# Altium PCB PCB1.PcbDoc (continued)
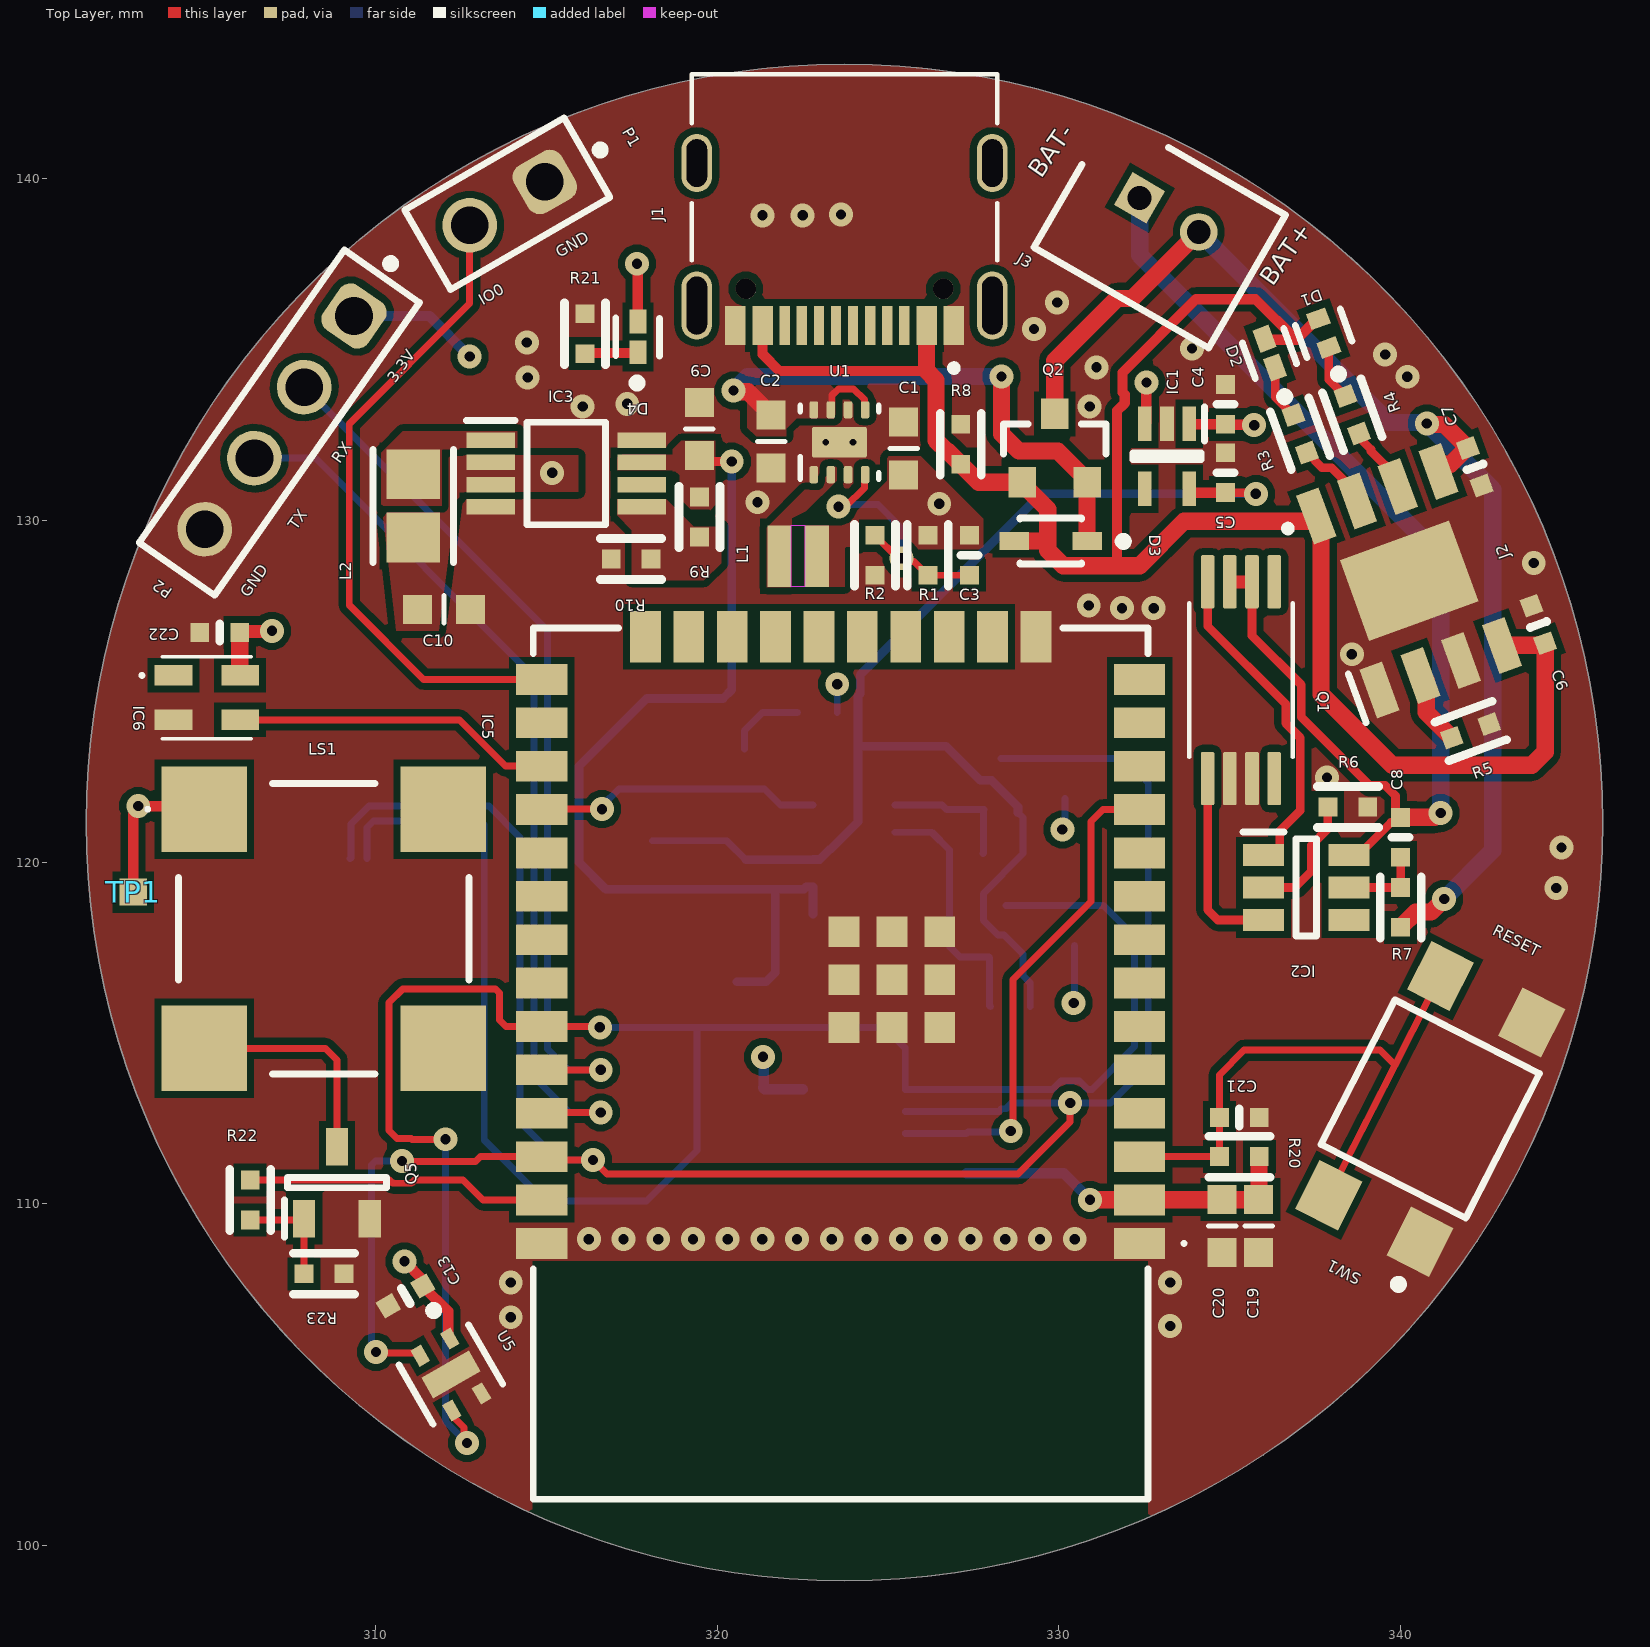
[diagram p0: Top Layer view]
## Part data (continued)
P1: library part CMP-1712-00002-6, Color=Black, Contact Resistance=20mΩ, Current Rating=3A, Max Operating Temperature=125°C, Min Operating Temperature=-40°C, Operating Supply Voltage=250V, Connector Type="Male Pin", Contact Gender=Male, Contact Material=Copper, Contact Mating Length=5.9944mm, Contact Plating=Gold, Gender=Male, Height=8.94mm, Housing Material=PBT, Lead Free="Lead Free", Lead Pitch=2.54mm, Mount="Through Hole", NexarPartId=20081794, Number of Contacts=2, Number of Pins=2, Number of Positions=2, Number of Rows=1, Orientation=Vertical, Packaging=Bulk, Pitch=2.54mm, REACH SVHC="No SVHC", RoHS=Compliant, Termination="Through Hole", Voltage Rating=250V
P2: library part CMP-1502-01064-3, Color=Black, Contact Resistance=20mΩ, Current Rating=3A, Max Operating Temperature=105°C, Min Operating Temperature=-40°C, Operating Supply Voltage=250V, Connector Type="Male Pin", Contact Material=Copper, Contact Mating Length=5.9944mm, Contact Plating=Gold, Gender=Male, Height=8.89mm, Lead Free="Lead Free", Lead Pitch=2.54mm, Mount="Through Hole", NexarPartId=32855522, Number of Contacts=4, Number of Pins=4, Number of Positions=4, Number of Rows=1, Orientation=Vertical, Packaging=Bulk, Pitch=2.54mm, REACH SVHC=Unknown, RoHS=Compliant, Termination=Solder, Voltage Rating=250V
Q1: Package=Package, Check_prices=https://www.snapeda.com/parts/FS8205A/Fortune+Semiconductor/view-part/?ref=eda, MF="Fortune Semiconductor", MP=FS8205A, SnapEDA_Link=https://www.snapeda.com/parts/FS8205A/Fortune+Semiconductor/view-part/?ref=snap
Q2: library part CMP-12801-000080-1, "MOSFET P-CH 30V 2.5A SOT-23", Case/Package=SOT-23, Continuous Drain Current (ID)=3.8A, Drain to Source Resistance=90mR, Drain to Source Voltage (Vdss)=30V, Gate to Source Voltage (Vgs)=20V, Input Capacitance=371.3pF, Max Operating Temperature=150°C, Max Power Dissipation=760mW, Min Operating Temperature=-55°C, Package Quantity=3000, Power Dissipation=1.36W, Element Configuration=Single, Fall Time=13.4ns, Height=1mm, Lead Free="Lead Free", Length=3mm, Mount="Surface Mount", Number of Channels=1, Number of Elements=1, Number of Pins=3, Packaging="Tape and Reel", Radiation Hardening=No, Rds On Max=90mR, REACH SVHC="No SVHC", Rise Time=7.3ns, Turn-Off Delay Time=22.4ns, Turn-On Delay Time=4.8ns, Weight=0.000282oz, Width=1.4mm
Q3 Q4: "MOSFET (N-Channel)", Manufacturer_Name="ROHM Semiconductor", Mouser Part Number=755-RE1C001UNTCL, Datasheet Link=https://datasheet.datasheetarchive.com/originals/distributors/Datasheets_SAMA/a252995f86c5e28cb0f632a782a2eea5.pdf, Height=0.85mm, Manufacturer_Part_Number=RE1C001UNTCL, Mouser Price/Stock=https://www.mouser.co.uk/ProductDetail/ROHM-Semiconductor/RE1C001UNTCL?qs=QcFhgjUTvvoqHeGWcl8O5g%3D%3D
Q5: "Transistor BJT NPN", Manufacturer_Name="Diodes Incorporated", Mouser Part Number=621-MMBT3904-F, Arrow Part Number=MMBT3904-7-F, Arrow Price/Stock=https://www.arrow.com/en/products/mmbt3904-7-f/diodes-incorporated?utm_currency=USD&region=europe, Datasheet Link=https://www.diodes.com//assets/Datasheets/MMBT3904.pdf, Height=1.1mm, Manufacturer_Part_Number=MMBT3904-7-F, Mouser Price/Stock=https://www.mouser.co.uk/ProductDetail/Diodes-Incorporated/MMBT3904-7-F?qs=7F%2FY8wl6X3H3eL7tHVWSBQ%3D%3D
R1 R2: library part ERJ-2GEJ364X, "RES SMD 360K OHM 5% 1/10W 0402", Digi-Key Part Number=P360KJCT-ND, Manufacturer="Panasonic Electronic Components", Operating Temperature="-55°C ~ 155°C", Package / Case="0402 (1005 Metric)", Power (Watts)="0.1W, 1/10W", Supplier Device Package=0402, Temperature Coefficient=±200ppm/°C, Tolerance=±5%, @ qty=1500, Composition="Thick Film", Datasheets=http://industrial.panasonic.com/www-cgi/jvcr13pz.cgi?E+PZ+3+AOA0001+ERJ2GEJ364X+7+WW, Factory Stock=0, Failure Rate=-, Features="Automotive AEC-Q200", Height - Seated (Max)="0.016\" (0.40mm)", Image=//media.digikey.com/Photos/Panasonic%20Photos/ERJ-PA2-Series.jpg, Minimum Quantity=1, Number of Terminations=2, Packaging="Cut Tape (CT)", Part Number=ERJ-2GEJ364X, Part Status=Active, Quantity Available=75680, Series=ERJ, Size / Dimension="0.039\" L x 0.020\" W (1.00mm x 0.50mm)", Unit Price (USD)=0.00350
R3 R4 R6 R21: library part ERJ-2GEJ102X, "RES SMD 1K OHM 5% 1/10W 0402", Digi-Key Part Number=P1.0KJCT-ND, Manufacturer="Panasonic Electronic Components", Operating Temperature="-55°C ~ 155°C", Package / Case="0402 (1005 Metric)", Power (Watts)="0.1W, 1/10W", Supplier Device Package=0402, Temperature Coefficient=±200ppm/°C, Tolerance=±5%, @ qty=1500, Composition="Thick Film", Datasheets=http://industrial.panasonic.com/www-cgi/jvcr13pz.cgi?E+PZ+3+AOA0001+ERJ2GEJ102X+7+WW, Factory Stock=0, Failure Rate=-, Features="Automotive AEC-Q200", Height - Seated (Max)="0.016\" (0.40mm)", Image=//media.digikey.com/Photos/Panasonic%20Photos/ERJ-PA2-Series.jpg, Minimum Quantity=1, Number of Terminations=2, Packaging="Cut Tape (CT)", Part Number=ERJ-2GEJ102X, Part Status=Active, Quantity Available=1939857, Series=ERJ, Size / Dimension="0.039\" L x 0.020\" W (1.00mm x 0.50mm)", Unit Price (USD)=0.00350
R5: library part ERJ-2GEJ122X, "RES SMD 1.2K OHM 5% 1/10W 0402", Digi-Key Part Number=P1.2KJCT-ND, Manufacturer="Panasonic Electronic Components", Operating Temperature="-55°C ~ 155°C", Package / Case="0402 (1005 Metric)", Power (Watts)="0.1W, 1/10W", Supplier Device Package=0402, Temperature Coefficient=±200ppm/°C, Tolerance=±5%, @ qty=1500, Composition="Thick Film", Datasheets=http://industrial.panasonic.com/www-cgi/jvcr13pz.cgi?E+PZ+3+AOA0001+ERJ2GEJ122X+7+WW, Factory Stock=0, Failure Rate=-, Features="Automotive AEC-Q200", Height - Seated (Max)="0.016\" (0.40mm)", Image=//media.digikey.com/Photos/Panasonic%20Photos/ERJ-PA2-Series.jpg, Minimum Quantity=1, Number of Terminations=2, Packaging="Cut Tape (CT)", Part Number=ERJ-2GEJ122X, Part Status=Active, Quantity Available=248948, Series=ERJ, Size / Dimension="0.039\" L x 0.020\" W (1.00mm x 0.50mm)", Unit Price (USD)=0.00350
R7: library part ERJ-2RHD1000X, "RES SMD 100 OHM 0.5% 1/16W 0402", Digi-Key Part Number=P15983CT-ND, Manufacturer="Panasonic Electronic Components", Operating Temperature="-55°C ~ 125°C", Package / Case="0402 (1005 Metric)", Power (Watts)="0.063W, 1/16W", Supplier Device Package=0402, Temperature Coefficient=±50ppm/°C, Tolerance=±0.5%, @ qty=1500, Composition="Thick Film", Datasheets=http://industrial.panasonic.com/www-cgi/jvcr13pz.cgi?E+PZ+3+AOA0001+ERJ2RHD1000X+8+WW, Factory Stock=0, Failure Rate=-, Features="Automotive AEC-Q200", Height - Seated (Max)="0.016\" (0.40mm)", Image=//media.digikey.com/Photos/Panasonic%20Photos/ERJ-PA2-Series.jpg, Minimum Quantity=1, Number of Terminations=2, Packaging="Cut Tape (CT)", Part Number=ERJ-2RHD1000X, Part Status=Active, Quantity Available=37495, Series=ERJ, Size / Dimension="0.039\" L x 0.020\" W (1.00mm x 0.50mm)", Unit Price (USD)=0.01767
R8 R20 R23: library part ERJ-2GEJ103X, "RES SMD 10K OHM 5% 1/10W 0402", Digi-Key Part Number=P10KJCT-ND, Manufacturer="Panasonic Electronic Components", Operating Temperature="-55°C ~ 155°C", Package / Case="0402 (1005 Metric)", Power (Watts)="0.1W, 1/10W", Supplier Device Package=0402, Temperature Coefficient=±200ppm/°C, Tolerance=±5%, @ qty=1500, Composition="Thick Film", Datasheets=http://industrial.panasonic.com/www-cgi/jvcr13pz.cgi?E+PZ+3+AOA0001+ERJ2GEJ103X+7+WW, Factory Stock=0, Failure Rate=-, Features="Automotive AEC-Q200", Height - Seated (Max)="0.016\" (0.40mm)", Image=//media.digikey.com/Photos/Panasonic%20Photos/ERJ-PA2-Series.jpg, Minimum Quantity=1, Number of Terminations=2, Packaging="Cut Tape (CT)", Part Number=ERJ-2GEJ103X, Part Status=Active, Quantity Available=2560215, Series=ERJ, Size / Dimension="0.039\" L x 0.020\" W (1.00mm x 0.50mm)", Unit Price (USD)=0.00350
R9: library part ERJ-2RKF7503X, "RES SMD 750K OHM 1% 1/10W 0402", Digi-Key Part Number=P750KLCT-ND, Manufacturer="Panasonic Electronic Components", Operating Temperature="-55°C ~ 155°C", Package / Case="0402 (1005 Metric)", Power (Watts)="0.1W, 1/10W", Supplier Device Package=0402, Temperature Coefficient=±100ppm/°C, Tolerance=±1%, @ qty=1500, Composition="Thick Film", Datasheets=http://industrial.panasonic.com/www-cgi/jvcr13pz.cgi?E+PZ+3+AOA0002+ERJ2RKF7503X+7+WW, Factory Stock=0, Failure Rate=-, Features="Automotive AEC-Q200", Height - Seated (Max)="0.016\" (0.40mm)", Image=//media.digikey.com/Photos/Panasonic%20Photos/ERJ-PA2-Series.jpg, Minimum Quantity=1, Number of Terminations=2, Packaging="Cut Tape (CT)", Part Number=ERJ-2RKF7503X, Part Status=Active, Quantity Available=78807, Series=ERJ, Size / Dimension="0.039\" L x 0.020\" W (1.00mm x 0.50mm)", Unit Price (USD)=0.00496
R10: library part ERJ-2GEJ104X, "RES SMD 100K OHM 5% 1/10W 0402", Digi-Key Part Number=P100KJCT-ND, Manufacturer="Panasonic Electronic Components", Operating Temperature="-55°C ~ 155°C", Package / Case="0402 (1005 Metric)", Power (Watts)="0.1W, 1/10W", Supplier Device Package=0402, Temperature Coefficient=±200ppm/°C, Tolerance=±5%, @ qty=1500, Composition="Thick Film", Datasheets=http://industrial.panasonic.com/www-cgi/jvcr13pz.cgi?E+PZ+3+AOA0001+ERJ2GEJ104X+7+WW, Factory Stock=0, Failure Rate=-, Features="Automotive AEC-Q200", Height - Seated (Max)="0.016\" (0.40mm)", Image=//media.digikey.com/Photos/Panasonic%20Photos/ERJ-PA2-Series.jpg, Minimum Quantity=1, Number of Terminations=2, Packaging="Cut Tape (CT)", Part Number=ERJ-2GEJ104X, Part Status=Active, Quantity Available=2387986, Series=ERJ, Size / Dimension="0.039\" L x 0.020\" W (1.00mm x 0.50mm)", Unit Price (USD)=0.00350
R11 R12 R13 R14 R19: library part ERJ-2GEJ222X, "RES SMD 2.2K OHM 5% 1/10W 0402", Digi-Key Part Number=P2.2KJCT-ND, Manufacturer="Panasonic Electronic Components", Operating Temperature="-55°C ~ 155°C", Package / Case="0402 (1005 Metric)", Power (Watts)="0.1W, 1/10W", Supplier Device Package=0402, Temperature Coefficient=±200ppm/°C, Tolerance=±5%, @ qty=1500, Composition="Thick Film", Datasheets=http://industrial.panasonic.com/www-cgi/jvcr13pz.cgi?E+PZ+3+AOA0001+ERJ2GEJ222X+7+WW, Factory Stock=0, Failure Rate=-, Features="Automotive AEC-Q200", Height - Seated (Max)="0.016\" (0.40mm)", Image=//media.digikey.com/Photos/Panasonic%20Photos/ERJ-PA2-Series.jpg, Minimum Quantity=1, Number of Terminations=2, Packaging="Cut Tape (CT)", Part Number=ERJ-2GEJ222X, Part Status=Active, Quantity Available=177727, Series=ERJ, Size / Dimension="0.039\" L x 0.020\" W (1.00mm x 0.50mm)", Unit Price (USD)=0.00350
R15: library part ERJ-2GE0R00X, "RES SMD 0.0OHM JUMPER 1/10W 0402", Digi-Key Part Number=P0.0JCT-ND, Manufacturer="Panasonic Electronic Components", Operating Temperature="-55°C ~ 155°C", Package / Case="0402 (1005 Metric)", Power (Watts)="0.1W, 1/10W", Supplier Device Package=0402, Temperature Coefficient=-, Tolerance=Jumper, @ qty=1500, Composition="Thick Film", Datasheets=http://industrial.panasonic.com/www-cgi/jvcr13pz.cgi?E+PZ+3+AOA0001+ERJ2GE0R00X+7+WW, Factory Stock=0, Failure Rate=-, Features="Automotive AEC-Q200", Height - Seated (Max)="0.016\" (0.40mm)", Image=//media.digikey.com/Photos/Panasonic%20Photos/ERJ-PA2-Series.jpg, Minimum Quantity=1, Number of Terminations=2, Packaging="Cut Tape (CT)", Part Number=ERJ-2GE0R00X, Part Status=Active, Quantity Available=3152483, Series=ERJ, Size / Dimension="0.039\" L x 0.020\" W (1.00mm x 0.50mm)", Unit Price (USD)=0.00384
R16: library part ERJ-2GEJ472X, "RES SMD 4.7K OHM 5% 1/10W 0402", Digi-Key Part Number=P4.7KJCT-ND, Manufacturer="Panasonic Electronic Components", Operating Temperature="-55°C ~ 155°C", Package / Case="0402 (1005 Metric)", Power (Watts)="0.1W, 1/10W", Supplier Device Package=0402, Temperature Coefficient=±200ppm/°C, Tolerance=±5%, @ qty=1500, Composition="Thick Film", Datasheets=http://industrial.panasonic.com/www-cgi/jvcr13pz.cgi?E+PZ+3+AOA0001+ERJ2GEJ472X+7+WW, Factory Stock=0, Failure Rate=-, Features="Automotive AEC-Q200", Height - Seated (Max)="0.016\" (0.40mm)", Image=//media.digikey.com/Photos/Panasonic%20Photos/ERJ-PA2-Series.jpg, Minimum Quantity=1, Number of Terminations=2, Packaging="Cut Tape (CT)", Part Number=ERJ-2GEJ472X, Part Status=Active, Quantity Available=8551774, Series=ERJ, Size / Dimension="0.039\" L x 0.020\" W (1.00mm x 0.50mm)", Unit Price (USD)=0.00350
R22: library part ERJ-2RKF2200X, "RES SMD 220 OHM 1% 1/10W 0402", Digi-Key Part Number=P220LCT-ND, Manufacturer="Panasonic Electronic Components", Operating Temperature="-55°C ~ 155°C", Package / Case="0402 (1005 Metric)", Power (Watts)="0.1W, 1/10W", Supplier Device Package=0402, Temperature Coefficient=±100ppm/°C, Tolerance=±1%, @ qty=1500, Composition="Thick Film", Datasheets=http://industrial.panasonic.com/www-cgi/jvcr13pz.cgi?E+PZ+3+AOA0002+ERJ2RKF2200X+7+WW, Factory Stock=0, Failure Rate=-, Features="Automotive AEC-Q200", Height - Seated (Max)="0.016\" (0.40mm)", Image=//media.digikey.com/Photos/Panasonic%20Photos/ERJ-PA2-Series.jpg, Minimum Quantity=1, Number of Terminations=2, Packaging="Cut Tape (CT)", Part Number=ERJ-2RKF2200X, Part Status=Active, Quantity Available=432220, Series=ERJ, Size / Dimension="0.039\" L x 0.020\" W (1.00mm x 0.50mm)", Unit Price (USD)=0.00496
SW1: library part CMP-17879-000010-1, "SWITCH TACTILE SPST-NO 50MA 12V", Max Operating Temperature=70°C, Min Operating Temperature=-20°C, Operating Force=260gf, Actuator Type=Standard, Illumination Type=Non-Illuminated, Lead Free="Lead Free", Mechanical Life=200000Cycles, Mount="Surface Mount", Packaging="Tape and Reel", Switch Function=Off-Mom, Switch Travel=0.2mm, Termination="Gull Wing", Throw Configuration=SPST
TP1 TP2 TP3 TP4: "SMT Test Point- Mininature-1000 pc Reels", Package=None, Availability="In Stock", MF="Keystone Electronics", MP=5019, Price=None, Purchase-URL=https://pricing.snapeda.com/search/part/5019/?ref=eda
U1: library part CMP-0323-00258-3, "Buck Step Down Regulator with 2.7 to 6 V Input and 0.8 to 6 V Output, -40 to 85 degC, 8-Pin WSON (DSG), Green (RoHS & no Sb/Br)", Manufacturer="Texas Instruments", Rating=Catalog, Switch Current Limit(Typ)(A)=2.25, Code_JEDEC=MO-229, ComponentLink1Description=Datasheet, ComponentLink1URL=http://www.ti.com/general/docs/lit/getliterature.tsp?genericPartNumber=TPS62060&fileType=pdf, ComponentLink2Description="Package Specification", ComponentLink2URL=http://www.ti.com/litv/pdf/mpds308a, ComponentLink3Description="URL Link1", ComponentLink3URL="Samples URL:http://www.ti.com/product/tps54611#samples", DatasheetVersion=SLVSA95A, Duty Cycle(Max)(%)=100, Eco-Plan="Green (RoHS & no Sb/Br)", Iout(Max)(A)=1.6, Iq(Typ)(mA)=0.018, Mounting Technology="Surface Mount", PackageDescription="8-Pin Plastic Small Outline No-Lead, 2 x 2 x 0.8 mm Body, 0.5 mm Pitch, Exposed Pad", PackageReference=DSG0008A, PackageVersion="revB, Oct-2010", PartNumber=TPS62060DSGT, Regulated Outputs(#)=1, SubFamily="Step-Down Regulator", Synchronous Rectification=TRUE, Topology=Buck, Vin(Max)(V)=6, Vin(Min)(V)=2.7, Vout(Max)(V)=6, Vout(Min)(V)=0.8
U2: library part CMP-05738-000001-1, "INTEGRATED OPTICAL SENSOR", Manufacturer="Maxim Integrated", Max Junction Temp=+90°C, Max Supply Voltage=2V, Min Supply Voltage=1.7V, Operating Supply Current=600uA, Package=F143A5-1, Temperature="-40°C to +85°C", Temperature Range High=+85°C, Temperature Range Low=-40°C, Automotive=No, Category=IC, ComponentLink2Description=Datasheet, ComponentLink2URL=https://datasheets.maximintegrated.com/en/ds/MAX30101.pdf, Device Class L1=Sensors, Device Class L2=unset, Device Class L3=unset, Digikey Description="INTEGRATED OPTICAL SENSOR", Footprint Url=https://pdfserv.maximintegrated.com/land_patterns/90-0602.PDF, Height=1.65mm, Lead Free=Yes, Manufacturer Part Number=MAX30101EFD+, Mouser Description="INTEGRATED OPTICAL SENSOR", Octopart=https://octopart.com/max30101efd%2B-maxim+integrated-57054333, RoHS=TRUE, Sensor Output=I2C
U5: library part CMP-144040-000003-1, "SENSOR HUMI/TEMP I2C 2% SMD", Manufacturer=Sensirion, Max Supply Voltage=3.6V, Min Supply Voltage=1.62V, Operating Supply Current=0.3-900uA, Package=0, Temperature="-40°C to +125°C", Temperature Range High=+125°C, Temperature Range Low=-40°C, Accuracy=2%, Automotive=No, Category=IC, ComponentLink2Description=Datasheet, ComponentLink2URL=https://www.sensirion.com/fileadmin/user_upload/customers/sensirion/Dokumente/0_Datasheets/Humidity/Sensirion_Humidity_Sensors_SHTC3_Datasheet.pdf, Device Class L1=Sensors, Device Class L2="Temperature and Humidity Sensors", Device Class L3=unset, Digikey Description="SENSOR HUMI/TEMP I2C 2% SMD", Height=0.75mm, Interface=I2C, Ipc Land Pattern Name=DFN200X200X75-4, Lead Free=Yes, Manufacturer Part Number=SHTC3, Mouser Description="SHTC3 Series 0 to 100% RH 3.6 V Humidity and Temperature Sensor IC - DFN-4", Octopart=https://octopart.com/shtc3-sensirion-91912225, Resolution=16bits, RoHS=TRUE, Sensor Output=I2C

## Via types
v1: diameter 0.7, hole 0.3, Top Layer to Bottom Layer, tented both sides, 76 vias
v2: diameter 0.5, hole 0.2, Top Layer to Bottom Layer, 2 vias

## Nets (pads, with @x,y where several pads share a name; then routed paths per layer and width w, separated by ;. In a path a pad name is that pad's centre, name@x,y a point inside that pad or via, vN(x,y) a via of type N, cw(c..) or ccw(c..) an arc to the next point about the centre after c; other vN are vias at no path point)
+1.8V: C5.1 C11.1 IC1.5 Q3.1 Q4.1 R11.2 R13.2 TP2.TP U2.11 | length 39.3
  Top Layer w0.254: C5.1 335.706,130.816 335.742,130.78 v1(335.763,130.78)
  Top Layer w0.305: IC1.5 333.812,130.863 333.86,130.816 C5.1
  Bottom Layer w0.203: TP2.TP 320.266,120.625 320.82,120.07 C11.1@320.83,120.07 ; Q3.1@328.8,121.454 328.95,121.304 R11.2 327.787,119.087 327.787,118.288 328.209,117.866 328.394,117.866 328.95,117.31 Q4.1 328.95,116.675 329.159,116.466 R13.2
  Bottom Layer w0.254: C11.1@320.83,120.07 322.795,120.07 U2.11 323,120.075 323.298,120.373 323.31,120.373 324.118,121.18 324.118,123.393 ; Q3.1@328.8,121.454 328.8,121.624 328.032,122.392 327.696,122.392 326.695,123.393 324.118,123.393 ; v1(335.763,130.78) 329.484,130.78 324.186,125.482 324.186,124.927 324.118,124.858 324.118,123.393
+3V3: C1.1 C3.1 C4.1 C10.1 C13.1 C18.1 C19.1 C20.1 C22.1 D4.2 IC1.1 IC1.3 IC3.2 IC3.3 IC4.8 IC5.2 IC6.4 L1.2 L2.1 LS1.1 P2.1 R1.2 R12.2 R14.2 R15.2 R19.1 R20.2 TP1.TP U5.1 | length 34
  Top Layer w0.305: TP1.TP 302.9,121.386 303.047,121.534 v1(303.047,121.641) 304.884,121.641 LS1.1 ; v1(310.845,108.314) 311.381,107.778 C13.1 312.121,106.853 312.121,106.101 U5.1 ; v1(317.647,137.516) 317.675,137.487 D4.2 ; IC1.3 332.56,132.877 v1(332.56,134.038) ; IC1.1 333.826,132.816 C4.1 334.887,132.803 335.7,132.803 v1(335.712,132.791)
  Top Layer w0.381: C22.1 306.069,126.771 306.094,126.746 306.935,126.746 v1(306.96,126.771)
  Top Layer w0.508: C22.1 306.024,126.716 306.024,125.471 IC6.4 ; v1(330.91,110.115) IC5.2@332.365,110.115 ; IC5.2 IC5.2@332.365,110.115 ; R20.2 335.855,111.37 335.855,110.13 C19.1 C20.1 334.766,110.115 IC5.2@332.365,110.115
  Bottom Layer w0.203: R15.2 v1(323.509,125.207) ; v1(330.098,120.955) 330.175,121.031 R12.2 ; v1(330.429,115.875) 330.45,115.896 R14.2
  Bottom Layer w0.305: P2.1 311.562,135.986 v1(312.75,134.798) ; v1(321.335,114.3) 321.355,114.28 321.355,113.419 321.335,113.399 C18.1 321.38,113.355 322.495,113.355 IC4.8 ; R19.1 330.134,110.891 v1(330.91,110.115)
  other v1: 326.496,130.491 315.163,131.394
+5V: C9.1 C12.1 IC3.7 R9.1 TP3.TP U2.9 U2.10 | length 27.6
  Top Layer w0.254: C9.1 319.651,131.724 v1(320.421,131.724)
  Bottom Layer w0.254: v1(320.421,131.724) 320.421,125.044 320.167,124.79 317.932,124.79 315.947,122.806 315.947,119.993 316.731,119.209 C12.1 321.692,119.209 ; TP3.TP 321.425,116.5 321.692,116.767 321.692,119.209 ; U2.9 U2.10 322.6,119.275 322.534,119.209 321.692,119.209
BUZZER: IC5.37 R22.1 | length 8.9
  Top Layer w0.203: R22.1 310.406,110.693 310.499,110.6 311.039,110.6 311.132,110.693 312.557,110.693 313.141,110.109 IC5.37
EN: C21.1 IC5.3 R20.1 SW1.3 SW1.4 | length 17.6
  Top Layer w0.203: IC5.3 R20.1 C21.1 334.696,113.775 335.421,114.5 339.394,114.5 339.837,114.057 ; SW1.3 338.214,110.872 339.837,114.057 ; SW1.4 340.849,116.042 339.837,114.057
GND: C1.2 C2.2 C4.2 C5.2 C6.2 C7.2 C9.2 C10.2 C11.2 C12.2 C13.2 C18.2 C19.2 C20.2 C21.2 C22.2 IC1.2 IC3.4 IC3.8 IC4.4 IC4.5 IC4.6 IC4.7 IC4.9 IC5.1 IC5.15 IC5.38 IC5.39 IC5.40 IC5.41 IC5.42 IC5.43 IC5.44 IC5.45 IC5.46 IC5.47 IC6.2 J1.A1_B12 J1.B1_A12 J2.1 J2.3 J2.9 P1.1 P2.4 Q1.6 Q1.7 Q5.2 R2.1 R5.1 R6.1 R8.1 R10.1 R21.1 R23.1 SW1.1 SW1.2 TP4.TP U1.1 U1.3 U1.6 U1.9 U2.4 U2.12 U5.4 U5.5
  other v1: 333.255,106.423 313.951,106.677 313.951,107.693 333.255,107.693 316.237,108.963 317.253,108.963 318.269,108.963 319.285,108.963 320.301,108.963 321.317,108.963 322.333,108.963 323.349,108.963 324.365,108.963 325.381,108.963 326.397,108.963 327.413,108.963 328.429,108.963 329.445,108.963 330.461,108.963 344.555,119.245 344.71,120.431 337.845,122.479 338.572,126.084 331.847,127.434 332.772,127.434 330.872,127.509 343.897,128.759 321.172,130.534 316.056,133.335 330.897,133.334 317.361,133.415 314.447,134.184 340.197,134.209 331.097,134.484 339.547,134.859 333.897,135.034 314.422,135.209 329.272,135.609 329.947,136.384 321.322,138.934 322.497,138.934 323.622,138.959
  other v2: 323.174,132.29 323.974,132.29
GND_ISO: C8.1 IC2.6 J3.1 Q1.2 Q1.3 | length 34.5
  Top Layer w0.254: Q1.2 335.65,126.63 337.09,125.19 337.09,124.25 339.087,122.254 339.544,122.254 339.852,121.945 339.852,121.457 C8.1 339.852,121.161 339.719,121.161 338.766,120.208 IC2.6
  Top Layer w0.381: Q1.3 Q1.2
  Top Layer w0.508: C8.1 340.993,121.309 341.121,121.437 v1(341.173,121.437)
  Bottom Layer w0.508: J3.1 332.359,137.77 341.173,128.956 v1(341.173,121.437)
INT: IC5.28 R16.1 U2.13 | length 8.4
  Top Layer w0.203: IC5.28 314.87,121.55 v1(316.624,121.55)
  Bottom Layer w0.203: v1(316.624,121.55) 316.624,121.649 317.116,122.141 R16.1 321.384,122.141 321.85,121.675 U2.13
INT_GYRO: IC5.31
IO0: IC5.25 P1.2 | length 19.1
  Top Layer w0.203: P1.2 312.75,136.35 309.225,132.825 309.225,127.525 311.401,125.349 IC5.25
LED: IC5.27 IC6.3 | length 9.4
  Top Layer w0.203: IC6.3 312.448,124.166 313.804,122.809 IC5.27
LV_SCL: Q3.2 R11.1 U2.2 | length 4
  Bottom Layer w0.203: U2.2 326.575,121.675 326.711,121.539 Q3.2 327.791,121.53 327.791,120.259 R11.1
LV_SDA: Q4.2 R13.1 U2.3 | length 7.4
  Bottom Layer w0.203: U2.3 326.275,120.875 326.8,120.35 326.8,117.525 327.1,117.225 Q4.2 327.97,117.205 327.97,115.795 R13.1
NetC3_2: C3.2 R1.1 R2.2 U1.4 | length 7.7
  Top Layer w0.203: v1(323.542,130.404) 323.748,130.404 324.301,130.956 324.301,131.317 U1.4 ; R2.2 325.283,128.895 v1(325.39,128.895) 325.485,128.799 325.759,128.799 R1.1 327.355,128.397 327.368,128.384 C3.2
  Bottom Layer w0.203: v1(323.542,130.404) 323.606,130.467 324.701,130.467 325.336,129.832 325.336,128.948 v1(325.39,128.895)
NetC8_2: C8.2 IC2.5 R7.2 | length 2.4
  Top Layer w0.254: IC2.5 R7.2 ; R7.2 C8.2
NetD1_1: D1.1 R4.2 | length 1.6
  Top Layer w0.254: D1.1 337.898,134.129 R4.2
NetD2_1: D2.1 R3.2 | length 1.6
  Top Layer w0.254: D2.1 336.33,134.469 336.33,133.614 R3.2
NetD4_1: D4.1 R21.2 | length 1.6
  Top Layer w0.305: R21.2 316.147,134.903 317.653,134.903 D4.1
NetIC2_1: IC2.1 Q1.4 | length 9.7
  Top Layer w0.254: Q1.4 334.35,126.914 336.636,124.628 336.636,124.062 337.058,123.64 337.058,121.508 336.464,120.914 336.464,120.406 336.266,120.208 IC2.1
NetIC2_2: IC2.2 R6.2 | length 3.7
  Top Layer w0.254: IC2.2 336.911,119.258 337.391,119.738 337.391,120.496 337.871,120.976 R6.2
NetIC2_3: IC2.3 Q1.5 | length 5.6
  Top Layer w0.254: Q1.5 334.35,118.608 334.65,118.308 IC2.3
NetIC3_1: IC3.1 L2.2
NetIC3_5: IC3.5 R9.2 R10.2
NetJ2_2: J2.2 R5.2 | length 2.2
  Top Layer w0.508: J2.2 340.748,125.3 340.748,124.391 R5.2
NetJ2_6: J2.6 R4.1 | length 2
  Top Layer w0.254: R4.1 338.782,132.433 339.134,132.081 339.134,132.029 339.917,131.247 J2.6
NetJ2_7: J2.7 R3.1 | length 2.2
  Top Layer w0.254: R3.1 337.699,131.547 337.978,131.547 338.723,130.802 J2.7
NetL1_1: L1.1 U1.2 | length 0.1
  Top Layer w0.203: L1.1 L1.1@321.859,129.004
NetLS1_2: LS1.2 Q5.3 | length 6.6
  Top Layer w0.203: LS1.2 308.525,114.55 308.864,114.211 Q5.3
NetQ1_1: Q1.1 Q1.8
NetQ5_1: Q5.1 R22.2 R23.2 | length 3.2
  Top Layer w0.203: R22.2 Q5.1@307.862,109.525 ; R23.2 307.899,109.488 Q5.1@307.862,109.525 ; Q5.1@307.899,109.525 307.899,109.562 Q5.1@307.862,109.525
NetR15_1: R15.1 R16.2 | length 2.3
  Bottom Layer w0.203: R16.2 320.8,123.85 321.325,124.375 R15.1
OS: IC4.3 IC5.11 R19.2 | length 14.7
  Top Layer w0.203: v1(328.587,112.128) 328.651,112.192 328.651,116.561 330.937,118.847 330.937,121.183 331.292,121.539 IC5.11
  Bottom Layer w0.203: IC4.3 325.505,112.055 327.295,112.055 327.335,112.094 328.552,112.094 v1(328.587,112.128)
RX: IC5.34 P2.2 | length 25.9
  Top Layer w0.203: IC5.34 v1(316.586,113.919)
  Bottom Layer w0.203: P2.2 315.033,126.78 315.033,114.524 315.638,113.919 v1(316.586,113.919)
SCL: IC4.2 IC5.36 Q3.3 R12.1 U5.2 | length 67
  Top Layer w0.203: v1(310.007,105.664) 310.038,105.633 311.186,105.633 311.304,105.514 U5.2 U5.2@311.254,105.601 ; v1(310.769,111.252) 310.786,111.235 312.918,111.235 313.062,111.379 IC5.36 314.961,111.277 v1(316.357,111.277) 316.763,110.871 328.803,110.871 330.327,112.395 v1(330.327,112.947)
  Bottom Layer w0.203: 309.25,120.1 309.273,120.123 309.273,121.11 309.804,121.641 313.309,121.641 314.227,120.723 314.227,112.392 315.341,111.277 v1(316.357,111.277) ; v1(310.007,105.664) 309.88,105.791 309.88,111.133 309.999,111.252 v1(310.769,111.252) ; IC4.2 328.237,112.7 328.317,112.78 328.444,112.78 328.611,112.947 v1(330.327,112.947) 331.514,112.947 332.613,114.046 332.613,122.326 331.905,123.034 R12.1 328.305,123.034 Q3.3
SDA: IC4.1 IC5.33 Q4.3 R14.1 U5.3 | length 73.1
  Top Layer w0.203: v1(312.039,111.887) 311.056,111.887 311.039,111.904 310.625,111.904 310.388,112.141 310.388,115.89 310.791,116.292 313.507,116.292 313.626,116.173 313.626,115.379 313.817,115.189 IC5.33 316.535,115.189 v1(316.56,115.164) ; U5.3 312.229,103.797 312.579,103.447 312.579,103.092 v1(312.674,102.997)
  Bottom Layer w0.203: 309.75,120.1 309.75,121.017 309.937,121.203 313.057,121.203 313.176,121.084 313.176,111.867 314.96,110.084 317.932,110.084 319.405,111.557 319.405,115.164 ; v1(312.039,111.887) 312.039,103.632 v1(312.674,102.997) ; v1(316.56,115.164) 319.405,115.164 ; Q4.3 328.459,118.734 R14.1 331.303,118.734 332.21,117.827 332.21,114.598 330.962,113.35 330.845,113.35 330.597,113.598 330.057,113.598 329.809,113.35 IC4.1 325.5,114.555 324.891,115.164 319.405,115.164
TX: IC5.35 P2.3 | length 26.7
  Top Layer w0.203: IC5.35 314.884,112.674 v1(316.586,112.674)
  Bottom Layer w0.203: P2.3 308.23,131.825 314.63,125.425 314.63,113.716 315.671,112.674 v1(316.586,112.674)
V_BATT: C7.1 J2.5 J3.2 Q2.3 R7.1 | length 35.9
  Top Layer w0.5: Q2.3 329.875,134.676 331.703,136.504 332.149,136.504 J3.2 ; R7.1 340.443,118.534 340.886,118.534 v1(341.274,118.923) ; v1(340.766,132.842) 340.799,132.81 341.279,132.81 C7.1 341.929,132.118 341.457,131.646 341.321,131.646 J2.5
  Bottom Layer w0.5: J3.2 339.666,132.871 340.738,132.871 v1(340.766,132.842) 342.697,130.912 342.697,120.345 v1(341.274,118.923)
V_USB: C6.1 D1.2 D2.2 D3.2 J1.A4_B9 J1.B4_A9 J2.4 J2.8 Q2.1 R8.2 | length 55.7
  Top Layer w0.3: J1.B4_A9 321.323,134.861 321.805,134.379 326.123,134.379 ; 331.699,128.676 331.699,133.211 331.924,133.436 331.924,133.684 331.86,133.748 331.86,134.328 334.009,136.477 335.753,136.477 336.942,135.288 ; D2.2 336.049,135.288 336.942,135.288 ; D1.2 337.56,135.906 336.942,135.288
  Top Layer w0.508: J1.A4_B9 326.123,134.379 326.398,134.105 326.398,132.353 326.723,132.028 326.746,132.028 R8.2 327.653,131.121 Q2.1 328.925,131.071 329.667,130.33 329.667,129.464 ; D3.2 329.603,129.4 329.667,129.464 ; J2.4 342.974,126.347 344.172,126.347 C6.1 344.231,123.225 343.84,122.835 339.75,122.835 337.671,124.914 337.671,129.991 J2.8 337.373,129.976 333.658,129.976 332.359,128.676 331.699,128.676 330.124,128.676 329.667,129.134 329.667,129.464
VIN: C2.1 D3.1 Q2.2 U1.5 U1.7 U1.8 | length 17.8
  Top Layer w0.203: U1.7 323.347,133.263 323.347,133.654 323.545,133.851 323.985,133.851 324.301,133.536 324.301,133.263 U1.5
  Top Layer w0.5: v1(320.472,133.807) 320.51,133.769 320.895,133.769 C2.1 ; v1(328.32,134.214) 328.32,132.537 328.829,132.028 329.968,132.028 330.825,131.171 Q2.2 D3.1
  Bottom Layer w0.5: v1(320.472,133.807) 320.878,134.214 v1(328.32,134.214)
pads on no net: AC?.1 AC?.2 AC?.3 AC?.4 AC?.5 AC?.6 AC?.7 AC?.8 AC?.9 AC?.10 AC?.11 AC?.12 AC?.13 AC?.14 IC1.4 IC2.4 IC3.6 IC5.4 IC5.5 IC5.6 IC5.7 IC5.8 IC5.9 IC5.10 IC5.12 IC5.13 IC5.14 IC5.16 IC5.17 IC5.18 IC5.19 IC5.20 IC5.21 IC5.22 IC5.23 IC5.24 IC5.26 IC5.29 IC5.30 IC5.32 IC6.1 J1. J1.A5 J1.A6 J1.A7 J1.A8 J1.B5 J1.B6 J1.B7 J1.B8 J1.S1 J1.S2 J1.S3 J1.S4 LS1.3 LS1.4 U2.1 U2.5 U2.6 U2.7 U2.8 U2.14

## Polygon pours and split planes (outlines as drawn)
GND on Top Layer "GND_L01_P021" (solid, remove dead copper, pour order 21): 301.523,121.158 ccw(c323.723,121.158) 323.723,98.958 ccw(c323.723,121.158) 345.923,121.158 ccw(c323.723,121.158) 323.723,143.358 ccw(c323.723,121.158)
NetL1_1 on Top Layer "NETL1_1_L01_P020" (solid, remove dead copper, pour order 20): 323.221,131.577 323.52,131.577 323.52,131.196 322.593,130.27 322.181,130.072 322.181,128.044 322.176,128.04 322.168,128.048 321.448,128.048 321.448,129.786 322.559,130.897 322.785,130.897 323.212,131.324 323.212,131.582
+3V3 on Top Layer "+3V3_L01_P017" (solid, pour order 17): 322.56,128.056 322.56,129.856 322.571,129.845 323.647,129.845 324.968,131.166 324.968,131.826 325.018,131.877 325.958,131.877 327.787,130.048 327.787,129.134 327.736,129.083 327.66,129.159 325.78,129.159 325.78,129.235 323.774,129.235 323.723,129.184 323.723,128.056
NetIC3_1 on Top Layer "NETIC3_1_L01_P000" (solid, remove dead copper, pour order 0): 311.887,132.613 314.147,132.613 314.147,132.131 314.096,132.08 311.963,132.08 311.937,132.055 311.937,130.404 310.236,130.404 310.159,130.48 310.159,131.978 310.794,132.613
NetIC3_5 on Top Layer "NETIC3_5_L01_P003" (solid, remove dead copper, pour order 3): 317.068,130.15 317.5,129.718 317.5,128.245 319.608,128.245 320.116,128.753 320.116,129.819 319.303,129.819 318.491,130.632 317.068,130.632
+5V on Top Layer "+5V_L01_P004" (solid, remove dead copper, pour order 4): 317.068,131.928 318.541,131.928 318.948,132.334 319.938,132.334 319.938,130.454 319.786,130.302 319.761,130.327 319.227,130.327 318.897,130.658 318.897,131.318 318.77,131.445 317.068,131.445 317.068,131.877 317.094,131.902
VIN on Top Layer "VIN_L01_P011" (solid, remove dead copper, pour order 11): 323.418,132.994 323.418,132.995 322.327,132.995 322.021,132.69 322.021,132.461 321.132,132.461 320.878,132.715 320.878,133.706 321.132,133.96 323.317,133.96 323.444,133.833 323.444,132.997
+3V3 on Top Layer "+3V3_L01_P002" (solid, remove dead copper, pour order 2): 312.623,131.904 315.925,131.904 315.925,130.846 312.611,130.846 312.346,130.581 311.85,126.775 310.6,126.775 310.21,130.204 310.273,130.267 310.287,130.253 311.992,130.253 312.108,130.368 312.108,131.798 312.22,131.91 312.654,131.91
GND on Bottom Layer "GND_L04_P013" (solid, remove dead copper, pour order 13): 301.523,121.158 ccw(c323.723,121.158) 323.723,98.958 ccw(c323.723,121.158) 345.923,121.158 ccw(c323.723,121.158) 323.723,143.358 ccw(c323.723,121.158)
+3V3 on Int2 (PWR) (split plane): 191 vertices, not listed, extent 302.031,101.369 345.415,142.85
GND on Int1 (GND) (split plane): 191 vertices, not listed, extent 302.031,101.369 345.415,142.85

## Other copper
Int1 (GND) (plane layer: these items are gaps in the copper):
  pour cut-out: 314.572,100.966 314.572,108.348 332.606,108.348 332.606,98.899 332.581,98.874 314.547,98.874 314.547,100.941
Int2 (PWR) (plane layer: these items are gaps in the copper):
  pour cut-out: 314.572,100.966 314.572,108.348 332.606,108.348 332.606,98.899 332.581,98.874 314.547,98.874 314.547,100.941
Multi-Layer:
  pour cut-out: 314.579,100.949 314.579,108.331 332.613,108.331 332.613,98.882 332.588,98.857 314.554,98.857 314.554,100.924

## Silkscreen, mask and mechanical layers (free items; w line width, h text height)
Top Overlay:
  text "BAT-" at 329.625,139.888 h0.89 r55
  text "GND" at 315.447,137.58 h0.56 r30
  text "BAT+" at 336.4,136.725 h0.89 r55
  text "IO0" at 313.197,136.18 h0.56 r30
  text "3.3V" at 310.67,133.929 h0.56 r55
  text "RX" at 309.05,131.575 h0.56 r55
  text "TX" at 307.775,129.625 h0.56 r55
  text "GND" at 306.37,127.654 h0.56 r55
  text "RESET" at 342.603,117.781 h0.56 r333
Bottom Overlay:
  text "1.8V" at 317.75,121.631 h0.56
  text "GND" at 317.912,115.226 h0.56
  text "5V" at 320.112,115.226 h0.56
Top 3D Body:
  circle w0.254: c323.723,121.158 r22.2

## Text inside footprints (layer, text, board x,y; h text height)
J1: Top 3D Body "PCB EDGE" at 318.523,142.362 h0.56 r180